# Altium PCB PCB1.PcbDoc (part 1 of 2) (continued)
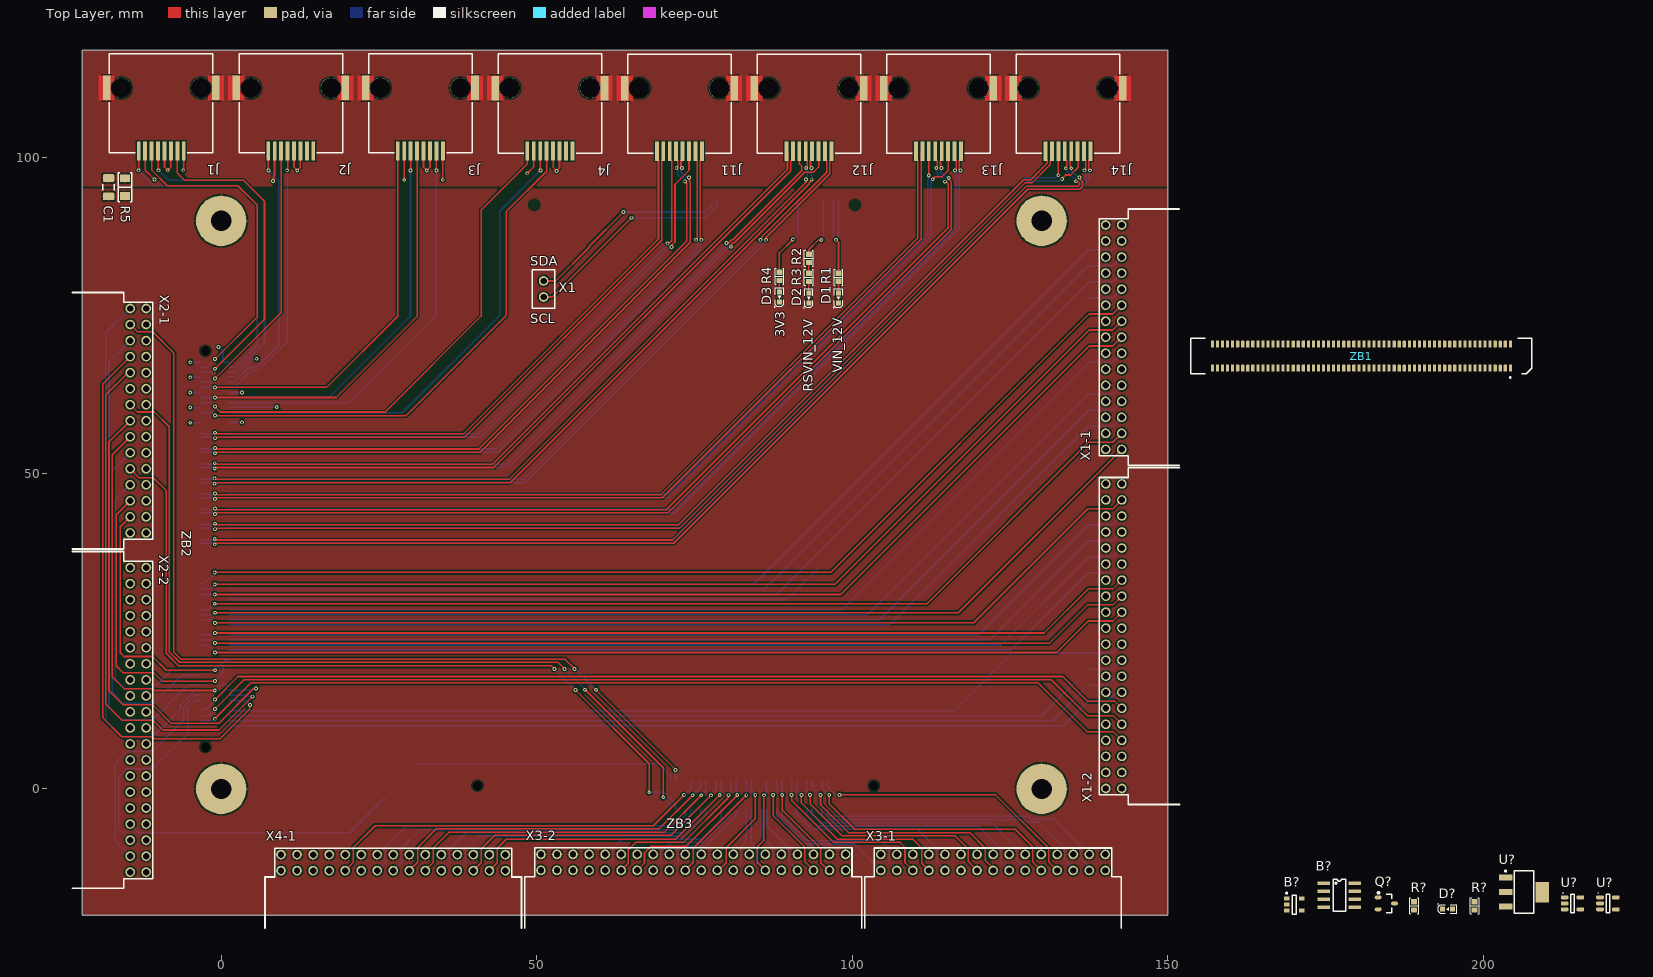
[diagram p0: Top Layer view]
## Footprints (in the part's own frame and the unit in brackets; to place one, negate y for a bottom-side part, rotate by r counter-clockwise, add the part's x,y. Pads: shape width x height; smd on the part's side, far side on the other; paste and mask are expansions set on the pad) (continued)
  oval 1.1x0.6 smd: 1(-1.3,0.95) 2(-1.3,-0.95) 3(1.3,0)
  silkscreen extent -1.4,-1.45 0.85,1.82, body extent -1.25,-1.46 1.23,1.46, height 1.01
SOT95P280X145-5N [mm]
  rrect50% 1.2x0.6 smd: 1(-1.25,0.95) 2(-1.25,0) 3(-1.25,-0.95) 4(1.25,-0.95) 5(1.25,0.95)
  silkscreen extent -1.55,-1.45 0.3,1.68, body extent -1.4,-1.45 1.4,1.45, height 1.2
SOT230P700X170-4N [mm] "SOT223, 4-Leads, Body 6,50x7,00mm (avg), Pitch 2,30mm, IPC Medium Density"
  rect 2.15x0.95 smd: 1(-2.9,2.3) 2(-2.9,0) 3(-2.9,-2.3)
  rect 2.15x3.25 smd: 4(2.9,0)
  silkscreen extent -3.02,-3.35 1.55,3.45, body extent -3.5,-3.25 3.5,3.25, height 1.62
TSW-102-XX-XXX-S [mil]
  round 60 hole 40 mask+3: 1(-50,0) 2(50,0)
  silkscreen extent -120,-70 120,70, body extent -105,-50 100,50, height 330
WL-SMCW_0603 [mm] "SMD Mono-color Chip LED, body 1.6x0.8mm"
  rect 0.8x0.8 smd: 1(-0.8,0) 2(0.8,0)
  silkscreen extent -1.59,-0.65 1.45,0.83, body extent -0.8,-0.4 0.8,0.4, height 0.7

## Part data
B?: "3.5-28 V Input, Output > 0.8V, max 3A, synchronous buck converter", Device Package=SOIC-8, LCSC Part Number=C9865, Manufacturer="Texas Instruments", Mouser Part Number=595-TPS54331DR, Operating Temperature="-40 - 150°C", Component Type="Buck Converter", ComponentLink1Description=Datasheet, ComponentLink1URL=https://www.ti.com/lit/ds/symlink/tps54331.pdf, Created from=RWeimer, Created On="29.05.2026 15:33:20", Datasheet Link=http://www.ti.com/lit/gpn/tps54331, Geometry.Height=1.75mm, Last Updated="29.05.2026 15:33:20", Live Cycle Status=1, Manufacturer Part Number=TPS54331DR, Manufacturer_Name="Texas Instruments", Manufacturer_Part_Number=TPS54331DR, Mounting Type=SMD, Mouser Price/Stock=https://www.mouser.co.uk/ProductDetail/Texas-Instruments/TPS54331DR?qs=QyYHynRG50rsSYcB%2Ftz4Yw%3D%3D, PartID=27, Stock number="not stored", Supplier 1=Mouser, Supplier 2=LCSC, Supplier Part Number 1=595-TPS54331DR, Supplier Part Number 2=C9865, Type="Buck Converter"
B?: library part TPS7A2018PDBVR, "300mA, ultra-low noise, LDO, 1V6 < Vin < 6V, 0.8V < Vout < 5V5", Device Package=SOT-23-5L, LCSC Part Number=C963430, Manufacturer="Texas Instruments", Mouser Part Number=595-TPS7A2018PDBVR, Operating Temperature="-40 to +125 °C", Component Type=LDO, ComponentLink1Description=Datasheet, ComponentLink1URL=https://www.ti.com/lit/ds/symlink/tps7a20.pdf, Created from=RWeimer, Created On="29.05.2026 15:18:52", Datasheet Link=https://datasheet.datasheetarchive.com/originals/distributors/Datasheets_SAMA/e65d9d311cedf91014769949f3101225.pdf, Geometry.Height=1.45mm, Last Updated="29.05.2026 15:18:52", Live Cycle Status=1, Manufacturer Part Number=TPS7A2018PDBVR, Manufacturer_Name="Texas Instruments", Manufacturer_Part_Number=TPS7A2018PDBVR, Mounting Type=SMD, Mouser Price/Stock=https://www.mouser.co.uk/ProductDetail/Texas-Instruments/TPS7A2018PDBVR?qs=hd1VzrDQEGheW9qdrIVGew%3D%3D, PartID=28, Series=TPS7A20, Stock number="not stored", Supplier 1=Mouser, Supplier 2=LCSC, Supplier Part Number 1=595-TPS7A2018PDBVR, Supplier Part Number 2=C963430, Type=LDO
C1: library part CC1206JKNPODBN101, "2kV 100pF NP0 ±5% 1206 Multilayer Ceramic Capacitors MLCC - SMD/SMT ROHS", Device Package=1206, LCSC Part Number=C113876, Manufacturer=YAGEO, Operating Temperature="-55 to +125°C", Tolerance="5 %", Voltage Rating="2000 VDC", Component Type="Capacitor 1206", ComponentLink1Description=Datasheet, ComponentLink1URL=https://datasheet.lcsc.com/lcsc/2108131530_YAGEO-CC1206JKNPODBN101_C113876.pdf, Created from=AGeiger, Created On="02.12.2022 11:59:53", Last Updated="22.04.2025 15:53:45", Live Cycle Status=1, Manufacturer Part Number=CC1206JKNPODBN101, Mounting Type=SMD, PartID=115, Series=NP0, Supplier 1=LCSC, Supplier Part Number 1=C113876, Type=Capacitor
D1: "WL-SMCW SMD Mono-color Chip LED Waterclear Blue", Color=blue, Device Package=0603, Forward Current I_f="20 mA", Forward Voltage U_f="3.2 V", LCSC Part Number=C5197644, Manufacturer="Wuerth Elektronik", Nominal Power="78 mW", Operating Temperature="-40 - 85 °C", Supplier Part Number 1=710-150060BS84000, Component Type="LED Diode", ComponentLink1Description=Datasheet, ComponentLink1URL=https://www.we-online.com/components/products/datasheet/150060BS75000.pdf, Created from=MGremer, Created On="08.12.2020 10:19:38", Last Updated="22.04.2026 11:55:05", Light Intensity="560 mcd", Live Cycle Status=1, Manufacturer Part Number=150060BS84000, Mounting Type=SMD, PartID=1, Stock number="not stored", Supplier 1=Mouser, Supplier 2=Farnell, Supplier 3=Digi-Key, Supplier Part Number 2=3408611, Supplier Part Number 3=732-150060BS84000CT-ND, Type=Standard, Wavelength="470 nm"
D2: "White light 0603 Light Emitting Diodes (LED) ROHS", Color=white, Device Package=0603, Forward Current I_f="20 mA", Forward Voltage U_f="2.8 V", LCSC Part Number=C84265, Manufacturer="Foshan NationStar Optoelectronics", Nominal Power="72 mW", Operating Temperature="-40 - 85 °C", Component Type="LED Diode", ComponentLink1Description=Datasheet, ComponentLink1URL=https://www.lcsc.com/datasheet/C84265.pdf, Created from=NDiringer, Created On="03.05.2022 13:11:03", Last Updated="22.04.2026 11:55:05", Light Intensity="250 mcd", Live Cycle Status=1, Manufacturer Part Number=NCD0603W1, Mounting Type=SMD, PartID=13, Stock number="not stored", Supplier 1=LCSC, Supplier Part Number 1=C84265, Type=Standard
D3: "LED ORANGE 600~610NM 80~220MCD@20MA TOP VIEW 0603 ROHS", Color=amber, Device Package=0603, Forward Current I_f="20 mA", Forward Voltage U_f="2 V", LCSC Part Number=C84269, Manufacturer="Foshan NationStar Optoelectronics", Nominal Power="40 mW", Operating Temperature="-40 - 85 °C", Component Type="LED Diode", ComponentLink1Description=Datasheet, ComponentLink1URL=https://www.lcsc.com/datasheet/C84269.pdf, Created from="T. Wendt", Created On="03.03.2021 09:59:51", Last Updated="22.04.2026 11:55:05", Light Intensity="150 mcd", Live Cycle Status=1, Manufacturer Part Number=FC-DA1608HOK-600H, Mounting Type=SMD, PartID=10, Stock number="not stored", Supplier 1=LCSC, Supplier Part Number 1=C84269, Type=Standard, Wavelength="604 nm"
D?: "LED YELLOW 585.5~591.5NM 90~180MCD@20MA TOP VIEW 0603 ROHS", Color=yellow, Device Package=0603, Forward Current I_f="20 mA", Forward Voltage U_f="2 V", LCSC Part Number=C72038, Manufacturer="Everlight Elec", Nominal Power="40 mW", Operating Temperature="-40 - 85 °C", Component Type="LED Diode", ComponentLink1Description=Datasheet, ComponentLink1URL=https://xonstorage.z8.web.core.windows.net/pdf/everlight_19213y2ccq2r2l3tcy_apr22_xonlink.pdf, Created from="T. Wendt", Created On="03.03.2021 10:06:23", Last Updated="22.04.2026 11:55:05", Light Intensity="180 mcd", Live Cycle Status=1, Manufacturer Part Number=19-213/Y2C-CQ2R2L/3T(CY), Mounting Type=SMD, PartID=9, Stock number="not stored", Supplier 1=LCSC, Supplier Part Number 1=C72038, Type=Standard, Wavelength="590 nm"
J1 J2 J3 J4 J11 J12 J13 J14: "RJ45 RJReceptacle cat5 Gold Phosphor bronze Without LED -40℃~+85℃ SMD Ethernet Connectors/Modular Connectors (RJ45 RJ11) ROHS", Contact Resistance=20mOhm, Device Package=RJ45, Insulation Resistance=500MOhm, LCSC Part Number=C125076, Manufacturer="TE Connectivity", Operating Temperature Max=85°C, Operating Temperature Min=-40°C, Rated Current=1.5A, Withstanding Voltage=1000VAC, Working Voltage=120VAC, Category="Input/Output Connectors", Component Type="RJ45 Connector", ComponentLink1Description=Datasheet, ComponentLink1URL=https://jlcpcb.com/partdetail/TeConnectivity-63391601/C125076, ComponentLink2Description=Datasheet, ComponentLink2URL=https://www.we-online.com/redexpert/spec/634008149821?ad, Created from=NDiringer, Created On="20.04.2023 12:29:11", Last Updated="21.02.2024 15:07:56", LED=No, Live Cycle Status=1, Manufacturer Part Number=6339160-1, Match Code=WR-MJ, Mount="Surface Mount", Mounting Type=SMD, Number of Pins=8P8C, Number of Ports=1, Orientation=Horizontal, Packaging=Tray, PartID=8, Series=RJHSE, Shielding=Yes, Stock number="not stored", Supplier 1=LCSC, Supplier Part Number 1=C125076, Type="RJ45 Connector"
MH1 MH2 MH3 MH4: library part "NY PMS 440 0025 PH", "Machine Screw, Round, #4-40 x 1/4, Nylon, Philips panhead", Package=Screw, Supplier Part Number 1=H542-ND, ComponentLink1Description="Datasheet Link", ComponentLink1URL=http://www.fasnetdirect.com/refguide/Nylpanms.pdf, Created=2021_06_22_AGeiger, MF="B&F Fastener Supply", MPN="NY PMS 440 0025 PH", Supplier 1=Digi-Key
Q?: "Bipolartransistor, NPN 100mA 80V", Collector Basis Voltage="80 V", Collector Emitter Voltage="65 V", Device Package=SOT-23-3, Manufacturer=onsemi, Operating Temperature="-55 - +150°C", Power Dissipation="225 mW", Supplier Part Number 1=863-BC846BLT3G, Component Type=Bipolartransistor, ComponentLink1Description=Datasheet, ComponentLink1URL=https://www.onsemi.com/pdf/datasheet/bc846alt1-d.pdf, Created from=RWeimer, Created On="13.04.2026 15:15:44", Last Updated="13.04.2026 15:16:27", Live Cycle Status=1, Manufacturer Part Number=BC846BLT3G, Mounting Type=SMD, Number of Channels=single, PartID=5, Polarization=NPN, Series=BC846BL, Supplier 1=Mouser, Type=Bipolartransistor
R1 R?: library part RK73B1JTTD432J, "SMD resistor E24 series", Device Package=0603, LCSC Part Number=C307285, Manufacturer="KOA Speer", Supplier Part Number 1=660-RK73B1JTTD432J, Tolerance=5%, Component Type="SMD resistor", ComponentLink1Description=Datasheet, ComponentLink1URL=https://www.mouser.de/datasheet/2/219/RK73B-1825463.pdf, Created from=MGremer, Created On="14.12.2020 16:17:14", Last Updated="10.04.2026 07:56:16", Live Cycle Status=1, Manufacturer Part Number=RK73B1JTTD432J, Mounting Type=SMD, PartID=89, Stock number="Labor SMD Container", Supplier 1=Mouser, Type=Resistor
R2: library part 0603WAF2002T5E, "SMD resistor E24 series", Device Package=0603, LCSC Part Number=C4184, Manufacturer=UNI-ROYAL, Tolerance=1%, Component Type="SMD resistor", ComponentLink1Description=Datasheet, ComponentLink1URL=https://datasheet.lcsc.com/lcsc/2206010230_UNI-ROYAL-Uniroyal-Elec-0603WAF2002T5E_C4184.pdf, Created from=AGeiger, Created On="14.12.2020 16:17:14", Last Updated="25.08.2022 20:05:50", Live Cycle Status=1, Manufacturer Part Number=0603WAF2002T5E, Mounting Type=SMD, PartID=105, Stock number="Labor SMD Container", Supplier 1=LCSC, Supplier Part Number 1=C4184, Type=Resistor
R3 R4: library part 0603WAF1001T5E, "SMD resistor E24 series", Device Package=0603, LCSC Part Number=C21190, Manufacturer=UNI-ROYAL, Tolerance=1%, Component Type="SMD resistor", ComponentLink1Description=Datasheet, ComponentLink1URL=https://datasheet.lcsc.com/lcsc/2206010130_UNI-ROYAL-Uniroyal-Elec-0603WAF1001T5E_C21190.pdf, Created from=AGeiger, Created On="14.12.2020 16:17:14", Last Updated="25.08.2022 16:01:46", Live Cycle Status=1, Manufacturer Part Number=0603WAF1001T5E, Mounting Type=SMD, PartID=74, Stock number="Labor SMD Container", Supplier 1=LCSC, Supplier Part Number 1=C21190, Type=Resistor
R5: library part 1206W4F1004T5E, "250mW Thick Film Resistors 200V ±100ppm/℃ ±1% -55℃~+155℃ 1MΩ 1206 Chip Resistor - Surface Mount ROHS", Device Package=1206, LCSC Part Number=C17927, Manufacturer=UNI-ROYAL, Tolerance=1%, Component Type="SMD resistor", ComponentLink1Description=Datasheet, ComponentLink1URL=https://datasheet.lcsc.com/lcsc/2206010145_UNI-ROYAL-Uniroyal-Elec-1206W4F1004T5E_C17927.pdf, Created from=AGeiger, Created On="02.12.2022 11:50:50", Last Updated="02.12.2022 11:50:50", Live Cycle Status=1, Manufacturer Part Number=1206W4F1004T5E, Mounting Type=SMD, PartID=248, Supplier 1=LCSC, Supplier Part Number 1=C17927, Type=Resistor
R?: library part RK73B1JTTD471J, "SMD resistor E24 series", Device Package=0603, LCSC Part Number=C23179, Manufacturer="KOA Speer", Supplier Part Number 1=660-RK73B1JTTD471J, Tolerance=5%, Component Type="SMD resistor", ComponentLink1Description=Datasheet, ComponentLink1URL=https://www.mouser.de/datasheet/2/219/RK73B-1825463.pdf, Created from=MGremer, Created On="14.12.2020 16:17:14", Last Updated="04.03.2021 10:03:02", Live Cycle Status=1, Manufacturer Part Number=RK73B1JTTD471J, Mounting Type=SMD, PartID=66, Stock number="Labor SMD Container", Supplier 1=Mouser, Supplier 2=LCSC, Supplier Part Number 2=C23179, Type=Resistor
U?: "150 mA Low-noise Low-dropout regulator with shutdown; fixed 3.3 V output", Device Package=SOT-23-5, Manufacturer="Texas Instruments", MPN=LP2985A-25, Operating Temperature="-40 to +125 °C", Supplier Part Number 1=595-LP2985A-33DBVT, Component Type=LDO, ComponentLink1Description=Datasheet, ComponentLink1URL=https://www.ti.com/lit/ds/symlink/lp2985a.pdf?HQS=dis-mous-null-mousermode-dsf-pf-null-wwe&ts=1629794945152, ComponentLink2Description=Datasheet, ComponentLink2URL=https://www.ti.com/lit/ds/symlink/lp2985a.pdf, Created from=MGremer, Created On="24.08.2021 11:34:06", Last Updated="11.08.2025 11:13:41", Live Cycle Status=1, Manufacturer Part Number=LP2985A-33DBVT, MF="Texas Instruments", Mounting Type=SMD, Package=SOT-23-5, PartID=3, Series=LP2985A-25, Stock number="not stored", Supplier 1=Mouser, Type=LDO
U?: "150 mA Low-noise Low-dropout regulator with shutdown; fixed 1.8 V output", Device Package=SOT-23-5, Manufacturer="Texas Instruments", Manufacturer Part Number 1=LP2985A-18, Operating Temperature="-40 to +125 °C", Supplier Part Number 1=595-LP2985A-18DBVJ, Component Type=LDO, ComponentLink1Description=Datasheet, ComponentLink1URL=https://www.ti.com/general/docs/suppproductinfo.tsp?distId=26&gotoUrl=http%3A%2F%2Fwww.ti.com%2Flit%2Fgpn%2Flp2985a, ComponentLink2Description=Datasheet, ComponentLink2URL=https://www.ti.com/lit/ds/symlink/lp2985a.pdf, Created from=MGremer, Created On="24.08.2021 11:34:06", Last Updated="11.08.2025 11:13:41", Live Cycle Status=1, Manufacturer 1="Texas Instruments", Manufacturer Part Number=LP2985A-18DBVJ, Mounting Type=SMD, Package=SOT-23-5, PartID=1, Series=LP2985A-18, Stock number="not stored", Supplier 1=Mouser, Type=LDO
U?: "1.2 A High PSRR low dropout linear voltage regulator, 3.3 V version", Device Package=SOT223, LCSC Part Number=C435835, Manufacturer=STMicroelectronics, Operating Temperature="-40 to +125 °C", Component Type=LDO, ComponentLink1Description=Datasheet, ComponentLink1URL=https://www.st.com/resource/en/datasheet/ldl1117.pdf, ComponentLink2Description=Homepage, ComponentLink2URL=https://www.st.com/en/power-management/ldl1117.html, Created from=MGeier, Created On="11.04.2025 13:13:45", Last Updated="11.04.2025 13:23:45", Live Cycle Status=1, Manufacturer Part Number=LDL1117S33R, Mounting Type=SMD, PartID=19, Series=LDL1117, Stock number="not stored", Supplier 1=LCSC, Supplier Part Number 1=C435835, Type=LDO
X1: "Classic PCB Header Strips, 0.100\" pitch", LCSC Part Number=C492401, Manufacturer=SAMTEC, Operating Temperature="-55 °C to +105 °C", ComponentLink1Description=Datasheet, ComponentLink1URL=https://suddendocs.samtec.com/catalog_english/tsw_th.pdf, CREATED BY="May 18, 2016 - Wendy Xin", Created from=AGeiger, Created On="26.06.2023 09:51:05", Last Updated="26.06.2023 09:53:59", Manufacturer Part Number=TSW-102-07-L-S, Mounting Type=SMD, PartID=20, PCB DECAL=TSW-102-XX-XXX-S, Series=TSW, Supplier 1=LCSC, Supplier Part Number 1=C492401
X1-1 X2-1 X3-1 X4-1: "Terminal Assembly, Double Row, Right Angle, Thru-Hole, 2.54 mm x 2.54 mm Pitch, 30 Pins", Device Package=Connector, Manufacturer=SAMTEC, Component Type="Samtec Connector", ComponentLink1Description=Homepage, ComponentLink1URL=https://www.samtec.com/products/ipl1, Created from=TWendt, Created On="12.02.2021 15:31:18", Last Updated="15.02.2021 10:07:42", Live Cycle Status=1, Manufacturer Part Number=IPL1-115-01-L-D-RA-K, Number of positions=30, Number of rows=2, PartID=34, Stock number="not stored", Supplier 1=SAMTEC, Supplier Part Number 1=IPL1-115-01-L-D-RA-K, Type=Connector
X1-2 X2-2 X3-2: "Terminal Assembly, Double Row, Right Angle, Thru-Hole, 2.54 mm x 2.54 mm Pitch, 40 Pins", Device Package=Connector, Manufacturer=SAMTEC, Component Type="Samtec Connector", ComponentLink1Description=Homepage, ComponentLink1URL=https://www.samtec.com/products/ipl1, Created from=TWendt, Created On="12.02.2021 15:26:11", Last Updated="15.02.2021 10:07:42", Live Cycle Status=1, Manufacturer Part Number=IPL1-120-01-L-D-RA-K, Mounting Type=THT, Number of positions=40, Number of rows=2, PartID=33, Stock number="not stored", Supplier 1=SAMTEC, Supplier Part Number 1=IPL1-120-01-L-D-RA-K, Type=Connector
ZB1: "0.80 mm Edge Rate Rugged High Speed", LCSC Part Number=C3649339, Manufacturer=SAMTEC, Operating Temperature="-55 °C to +125 °C", ComponentLink1Description=Datasheet, ComponentLink1URL=https://suddendocs.samtec.com/catalog_english/erm8.pdf, Created from=AGeiger, Created On="15.08.2025 09:35:44", Last Updated="23.09.2025 10:14:21", Manufacturer Part Number=ERM8-060-02.0-L-DV-TR, Mounting Type=SMD, PartID=61, Series=ERM8, Supplier 1=LCSC, Supplier Part Number 1=C3649339
ZB2 ZB3: "0.80 mm Edge Rate Rugged High Speed", LCSC Part Number=C6845629, Manufacturer=SAMTEC, Operating Temperature="-55 °C to +125 °C", ComponentLink1Description=Datasheet, ComponentLink1URL=https://suddendocs.samtec.com/catalog_english/erm8.pdf, Created from=AGeiger, Created On="15.08.2025 09:35:44", Last Updated="23.09.2025 10:14:21", Manufacturer Part Number=ERM8-075-02.0-L-DV-TR, Mounting Type=SMD, PartID=62, Series=ERM8, Supplier 1=LCSC, Supplier Part Number 1=C6845629

## Via types
v1: diameter 0.6, hole 0.3, Top Layer to Bottom Layer, 132 vias

## Nets (pads, with @x,y where several pads share a name; then routed paths per layer and width w, separated by ;. In a path a pad name is that pad's centre, name@x,y a point inside that pad or via, vN(x,y) a via of type N, cw(c..) or ccw(c..) an arc to the next point about the centre after c; other vN are vias at no path point)
1V8: ZB1.15 ZB1.16
3V3: R3.2 R4.2 X1-2.10 X2-2.10 X3-2.10 ZB1.19 ZB1.20 | length 12.6
  Top Layer w0.254: R4.2@88.45,81.836 88.45,84.899 v1(90.57,87.019)
  Bottom Layer w0.254: v1(90.57,87.019) 91.4,87.849 91.4,88.75 91.4,93.25
5V_unused1: X1-2.20
5V_unused2: X2-2.20
5V_unused3: X3-2.20
24V_unused1: X1-1.1
24V_unused2: X1-2.1
24V_unused3: X2-1.1
24V_unused4: X2-2.1
24V_unused5: X3-1.1
24V_unused6: X3-2.1
24V_unused7: X4-1.1
AGND: J1.2 J1.5 J1.6 J1.8 J2.2 J2.5 J2.6 J3.2 J3.5 J3.6 J3.8 J4.2 J4.5 J4.6 ZB2.1 ZB2.2 ZB2.7 ZB2.8 ZB2.13 ZB2.14 ZB2.19 ZB2.20 ZB2.25 ZB2.26 | length 65.6
  Top Layer w0.254: J1.2@-12.05,101.071 -12.05,98.006 v1(-10.582,96.538) ; J1.5@-8.99,101.071 -8.99,98.515 v1(-8.475,98) -7.97,98.505 J1.6@-7.97,101.071 ; v1(-6,98) -5.965,98.035 -5.965,101.036 J1.8@-5.93,101.071 ; v1(8.216,96.317) 8.282,96.383 8.282,96.97 8.437,97.125 8.437,101.034 J2.2@8.474,101.071 ; J2.5@11.534,101.071 11.534,98.504 v1(12.049,97.989) 12.554,98.494 J2.6@12.554,101.071 ; J3.2@28.998,101.071 28.999,101.07 28.999,96.501 v1(29,96.5) ; J3.5@32.058,101.071 32.058,98.504 v1(32.573,97.989) 33.078,98.494 J3.6@33.078,101.071 ; v1(35.118,96.501) J3.8@35.118,101.071 ; v1(48.502,97.524) 49.496,98.519 49.496,101.034 J4.2@49.522,101.06 ; J4.5@52.582,101.06 52.582,98.441 v1(53.119,97.904) 53.602,98.387 J4.6@53.602,101.06
  Bottom Layer w0.254: v1(-4.9,62.786) -4.893,62.793 -3.257,62.793 -3.25,62.8 ; v1(-0.424,70.001) -0.371,70.001 0.261,69.368 0.261,67.749 0.41,67.6 1.25,67.6 ; 1.25,58 1.288,58.038 3.253,58.038 v1(3.291,58.076) ; 1.25,65.2 1.371,65.321 2.181,65.321 4.948,68.088 5.552,68.088 v1(5.618,68.154)
AI_N1: J11.2 ZB2.32 | length 100.4
  Top Layer w0.254: v1(-1,55.56) -0.906,55.56 -0.733,55.733 38.593,55.733 69.79,86.929 69.79,99.55 70.046,99.806 J11.2@70.046,101.026
  Bottom Layer w0.254: -3.25,55.6 -3.127,55.723 -2.701,55.723 -2.678,55.746 -2.057,55.746 -2.044,55.733 -1.267,55.733 -1.094,55.56 v1(-1,55.56)
AI_N2: J11.6 ZB2.31 | length 99
  Top Layer w0.254: v1(71.331,85.83) 71.397,85.896 71.397,86.141 71.908,86.651 71.908,95.771 74.126,97.989 J11.6@74.126,101.026
  Bottom Layer w0.254: 1.25,55.6 1.373,55.723 1.799,55.723 1.822,55.746 41.114,55.746 56.241,70.873 56.241,70.985 71.02,85.764 71.265,85.764 v1(71.331,85.83)
AI_N3: J11.5 ZB2.38 | length 106.9
  Top Layer w0.254: v1(-1.005,53.173) -0.911,53.173 -0.738,53.346 37.3,53.346 ; 37.51,53.346 41.027,53.346 74.299,86.617 74.299,96.134 74.192,96.241 74.192,96.784 v1(74.126,96.85) ; v1(73.023,98.374) 73.023,98.468 72.85,98.641 72.85,99.55 73.106,99.806 J11.5@73.106,101.026
  Bottom Layer w0.254: -3.25,53.2 -3.127,53.323 -2.701,53.323 -2.678,53.346 -2.109,53.346 -1.271,53.346 -1.098,53.173 v1(-1.005,53.173) ; v1(73.023,98.374) 73.023,98.28 72.85,98.107 72.85,97.599 73.014,97.435 73.296,97.435 73.815,96.916 74.059,96.916 v1(74.126,96.85)
AI_N4: J11.8 ZB2.37 | length 103.8
  Top Layer w0.254: v1(76.083,86.988) 76.083,87.081 75.91,87.254 75.91,99.55 76.166,99.806 J11.8@76.166,101.026
  Bottom Layer w0.254: 1.25,53.2 1.373,53.323 1.799,53.323 1.822,53.346 43.771,53.346 75.91,85.485 75.91,86.721 76.083,86.894 v1(76.083,86.988)
AI_N5: J12.2 ZB2.44 | length 116.4
  Top Layer w0.254: v1(-1.025,50.746) -0.931,50.746 -0.758,50.919 43.199,50.919 90.236,97.956 90.236,98.155 90.24,98.159 90.24,99.476 90.57,99.806 J12.2@90.57,101.026
  Bottom Layer w0.254: -3.25,50.8 -3.127,50.923 -2.701,50.923 -2.678,50.946 -2.057,50.946 -2.03,50.919 -1.292,50.919 -1.119,50.746 v1(-1.025,50.746)
AI_N6: J12.6 ZB2.43 | length 115.8
  Top Layer w0.254: v1(80.758,85.893) 80.824,85.959 80.824,86.233 81.103,86.511 81.271,86.511 92.453,97.693 93.829,97.693 94.65,98.514 J12.6@94.65,101.026
  Bottom Layer w0.254: 1.25,50.8 1.373,50.923 1.799,50.923 1.822,50.946 45.538,50.946 80.418,85.826 80.692,85.826 v1(80.758,85.893)
AI_N7: J12.5 ZB2.50 | length 121.9
  Top Layer w0.254: v1(-1.049,48.346) -0.955,48.346 -0.782,48.519 45.799,48.519 93.165,95.885 93.165,96.039 93.552,96.427 v1(93.552,96.52) ; v1(93.547,98.374) 93.547,98.468 93.374,98.641 93.374,99.55 93.63,99.806 J12.5@93.63,101.026
  Bottom Layer w0.254: -3.25,48.4 -3.127,48.523 -2.701,48.523 -2.678,48.546 -2.057,48.546 -2.03,48.519 -1.315,48.519 -1.142,48.346 v1(-1.049,48.346) ; v1(93.547,98.374) 93.547,98.28 93.374,98.107 93.374,97.477 93.552,97.299 v1(93.552,96.52)
AI_N8: J12.8 ZB2.49 | length 119.6
  Top Layer w0.254: v1(86.304,86.989) 86.352,87.037 86.352,87.396 96.434,97.478 96.434,99.55 96.69,99.806 J12.8@96.69,101.026
  Bottom Layer w0.254: 1.25,48.4 1.373,48.523 1.799,48.523 1.822,48.546 48.166,48.546 86.118,86.498 86.118,86.709 86.304,86.895 v1(86.304,86.989)
AI_N9: J13.2 ZB2.56 | length 145.3
  Top Layer w0.254: v1(-1,45.946) -0.906,45.946 -0.733,46.119 69.898,46.119 110.899,87.119 110.899,99.479 110.916,99.496 110.916,100.848 J13.2@111.094,101.026
  Bottom Layer w0.254: -3.25,46 -3.127,46.123 -2.701,46.123 -2.678,46.146 -2.057,46.146 -2.03,46.119 -1.267,46.119 -1.094,45.946 v1(-1,45.946)
AI_N10: J13.6 ZB2.55 | length 143.6
  Top Layer w0.254: v1(112.728,96.592) 112.728,96.602 113.132,97.006 114.216,97.006 115.174,97.964 J13.6@115.174,101.026
  Bottom Layer w0.254: 1.25,46 1.373,46.123 1.799,46.123 1.822,46.146 70.964,46.146 112.449,87.63 112.449,96.27 112.728,96.55 v1(112.728,96.592)
AI_N11: J13.5 ZB2.62 | length 151.4
  Top Layer w0.254: v1(-0.98,43.546) -0.886,43.546 -0.713,43.719 70.737,43.719 115.695,88.677 115.695,96.138 115.339,96.495 115.339,96.739 v1(115.273,96.805) ; v1(114.147,98.355) 114.147,98.448 113.974,98.621 113.974,99.246 113.952,99.268 113.952,99.479 113.976,99.503 113.976,99.628 114.154,99.806 J13.5@114.154,101.026
  Bottom Layer w0.254: -3.25,43.6 -3.127,43.723 -2.701,43.723 -2.678,43.746 -2.057,43.746 -2.03,43.719 -1.246,43.719 -1.073,43.546 v1(-0.98,43.546) ; v1(114.147,98.355) 114.147,98.261 113.974,98.088 113.974,97.58 114.164,97.391 114.443,97.391 114.962,96.872 115.206,96.872 v1(115.273,96.805)
AI_N12: J13.8 ZB2.61 | length 146.9
  Top Layer w0.254: v1(117.131,97.977) 117.131,98.07 116.958,98.243 116.958,99.55 117.214,99.806 J13.8@117.214,101.026
  Bottom Layer w0.254: 1.25,43.6 1.373,43.723 1.799,43.723 1.822,43.746 71.864,43.746 116.958,88.839 116.958,96.976 116.958,97.71 117.131,97.883 v1(117.131,97.977)
AI_N13: J14.2 ZB2.68 | length 160.9
  Top Layer w0.254: v1(-1.005,41.146) -0.911,41.146 -0.738,41.319 72.682,41.319 127.371,96.008 128.46,96.008 131.362,98.909 131.362,99.55 131.618,99.806 J14.2@131.618,101.026
  Bottom Layer w0.254: -3.25,41.2 -3.127,41.323 -2.701,41.323 -2.678,41.346 -2.057,41.346 -2.03,41.319 -1.271,41.319 -1.098,41.146 v1(-1.005,41.146)
AI_N14: J14.6 ZB2.67 | length 160.9
  Top Layer w0.254: v1(133.242,96.614) 133.242,96.707 133.601,97.066 133.601,97.073 133.78,97.253 134.561,97.253 135.781,98.473 135.781,100.903 135.698,100.986 J14.6@135.698,101.026
  Bottom Layer w0.254: 1.25,41.2 1.373,41.323 1.799,41.323 1.822,41.346 72.709,41.346 127.662,96.299 132.833,96.299 133.148,96.614 v1(133.242,96.614)
AI_N15: J14.5 ZB2.74 | length 170.1
  Top Layer w0.254: v1(-1.03,38.746) -0.936,38.746 -0.763,38.919 71.719,38.919 127.792,94.992 136.016,94.992 136.519,95.495 136.519,96.127 136.078,96.568 136.078,96.813 v1(136.011,96.879) ; v1(134.678,98.333) 134.678,98.427 134.505,98.6 134.505,99.224 134.461,99.268 134.461,99.479 134.5,99.518 134.5,99.628 134.678,99.806 J14.5@134.678,101.026
  Bottom Layer w0.254: -3.25,38.8 -3.127,38.923 -2.701,38.923 -2.678,38.946 -2.057,38.946 -2.03,38.919 -1.296,38.919 -1.123,38.746 v1(-1.03,38.746) ; v1(134.678,98.333) 134.698,98.313 134.698,97.898 135.193,97.404 135.26,97.404 135.719,96.945 135.945,96.945 v1(136.011,96.879)
AI_N16: J14.8 ZB2.73 | length 164.9
  Top Layer w0.254: v1(137.655,97.998) 137.655,98.092 137.482,98.265 137.482,99.55 137.738,99.806 J14.8@137.738,101.026
  Bottom Layer w0.254: 1.25,38.8 1.373,38.923 1.799,38.923 1.822,38.946 71.746,38.946 127.792,94.992 135.997,94.992 137.482,96.476 137.482,97.732 137.655,97.905 v1(137.655,97.998)
AI_P1: J11.1 ZB2.30 | length 99.5
  Top Layer w0.254: v1(-1,56.414) -0.906,56.414 -0.733,56.241 38.383,56.241 69.282,87.139 69.282,99.55 69.026,99.806 J11.1@69.026,101.026
  Bottom Layer w0.254: -3.25,56.4 -3.127,56.277 -2.701,56.277 -2.678,56.254 -1.847,56.254 -1.833,56.241 -1.267,56.241 -1.094,56.414 v1(-1,56.414)
AI_P2: J11.3 ZB2.29 | length 97.4
  Top Layer w0.254: v1(70.727,86.434) 70.793,86.5 71.038,86.5 71.4,86.862 71.4,99.472 71.066,99.806 J11.3@71.066,101.026
  Bottom Layer w0.254: 1.25,56.4 1.373,56.277 1.799,56.277 1.822,56.254 40.904,56.254 55.733,71.084 55.733,71.195 70.661,86.123 70.661,86.368 v1(70.727,86.434)
AI_P3: J11.4 ZB2.36 | length 106.1
  Top Layer w0.254: v1(-1.005,54.027) -0.911,54.027 -0.738,53.854 40.817,53.854 73.791,86.828 73.791,95.924 73.511,96.204 v1(73.511,96.246) ; J11.4@72.086,101.026 72.086,99.806 72.342,99.55 72.342,98.641 72.169,98.468 v1(72.169,98.374)
  Bottom Layer w0.254: -3.25,54 -3.127,53.877 -2.701,53.877 -2.678,53.854 -2.319,53.854 -1.271,53.854 -1.098,54.027 v1(-1.005,54.027) ; v1(72.169,98.374) 72.169,98.28 72.342,98.107 72.342,97.389 72.804,96.927 73.085,96.927 73.456,96.557 73.456,96.301 v1(73.511,96.246)
AI_P4: J11.7 ZB2.35 | length 103
  Top Layer w0.254: J11.7@75.146,101.026 75.146,99.806 75.402,99.55 75.402,87.254 75.229,87.081 v1(75.229,86.988)
  Bottom Layer w0.254: 1.25,54 1.373,53.877 1.799,53.877 1.822,53.854 43.56,53.854 75.402,85.695 75.402,86.721 75.229,86.894 v1(75.229,86.988)
AI_P5: J12.1 ZB2.42 | length 115.5
  Top Layer w0.254: v1(-1.025,51.6) -0.931,51.6 -0.758,51.427 42.989,51.427 89.728,98.166 89.728,100.848 J12.1@89.55,101.026
  Bottom Layer w0.254: -3.25,51.6 -3.127,51.477 -2.701,51.477 -2.678,51.454 -1.847,51.454 -1.82,51.427 -1.292,51.427 -1.119,51.6 v1(-1.025,51.6)
AI_P6: J12.3 ZB2.41 | length 113.4
  Top Layer w0.254: v1(80.077,86.477) 80.143,86.544 80.417,86.544 80.892,87.019 81.061,87.019 91.967,97.926 91.967,98.677 91.59,99.055 J12.3@91.59,101.026
  Bottom Layer w0.254: 1.25,51.6 1.373,51.477 1.799,51.477 1.822,51.454 45.327,51.454 80.011,86.138 80.011,86.411 v1(80.077,86.477)
AI_P7: J12.4 ZB2.48 | length 120.9
  Top Layer w0.254: v1(-1.049,49.2) -0.955,49.2 -0.782,49.027 45.588,49.027 92.657,96.096 92.657,96.551 v1(92.641,96.567) ; J12.4@92.61,101.026 92.61,99.806 92.866,99.55 92.866,98.641 92.693,98.468 v1(92.693,98.374)
  Bottom Layer w0.254: -3.25,49.2 -3.127,49.077 -2.701,49.077 -2.678,49.054 -1.847,49.054 -1.82,49.027 -1.315,49.027 -1.142,49.2 v1(-1.049,49.2) ; v1(92.641,96.567) 92.641,96.66 92.866,96.885 92.866,98.107 92.693,98.28 v1(92.693,98.374)
AI_P8: J12.7 ZB2.47 | length 118.7
  Top Layer w0.254: v1(85.437,86.988) 85.437,87.081 85.623,87.267 85.623,87.385 95.926,97.688 95.926,99.55 95.67,99.806 J12.7@95.67,101.026
  Bottom Layer w0.254: 1.25,49.2 1.373,49.077 1.799,49.077 1.822,49.054 47.956,49.054 85.436,86.534 v1(85.437,86.988) v1(85.437,86.988)
AI_P9: J13.1 ZB2.54 | length 144.5
  Top Layer w0.254: v1(-1,46.8) -0.906,46.8 -0.733,46.627 69.688,46.627 110.391,87.33 110.391,99.488 110.074,99.806 J13.1@110.074,101.026
  Bottom Layer w0.254: -3.25,46.8 -3.127,46.677 -2.701,46.677 -2.678,46.654 -1.847,46.654 -1.82,46.627 -1.267,46.627 -1.094,46.8 v1(-1,46.8)